# Altium PCB PCB.PcbDoc (part 1 of 2)
Units mil, origin at the board's own origin, x right, y up, seen from the top; angles counter-clockwise.
Board outline 1968.5 x 2500 mil, 2 copper layers (Top Layer, Bottom Layer), stack 59.418 mil thick; 109 components, 50 nets, 304 pads, 56 vias.
Unrouted connection lines stored in the file: 3.
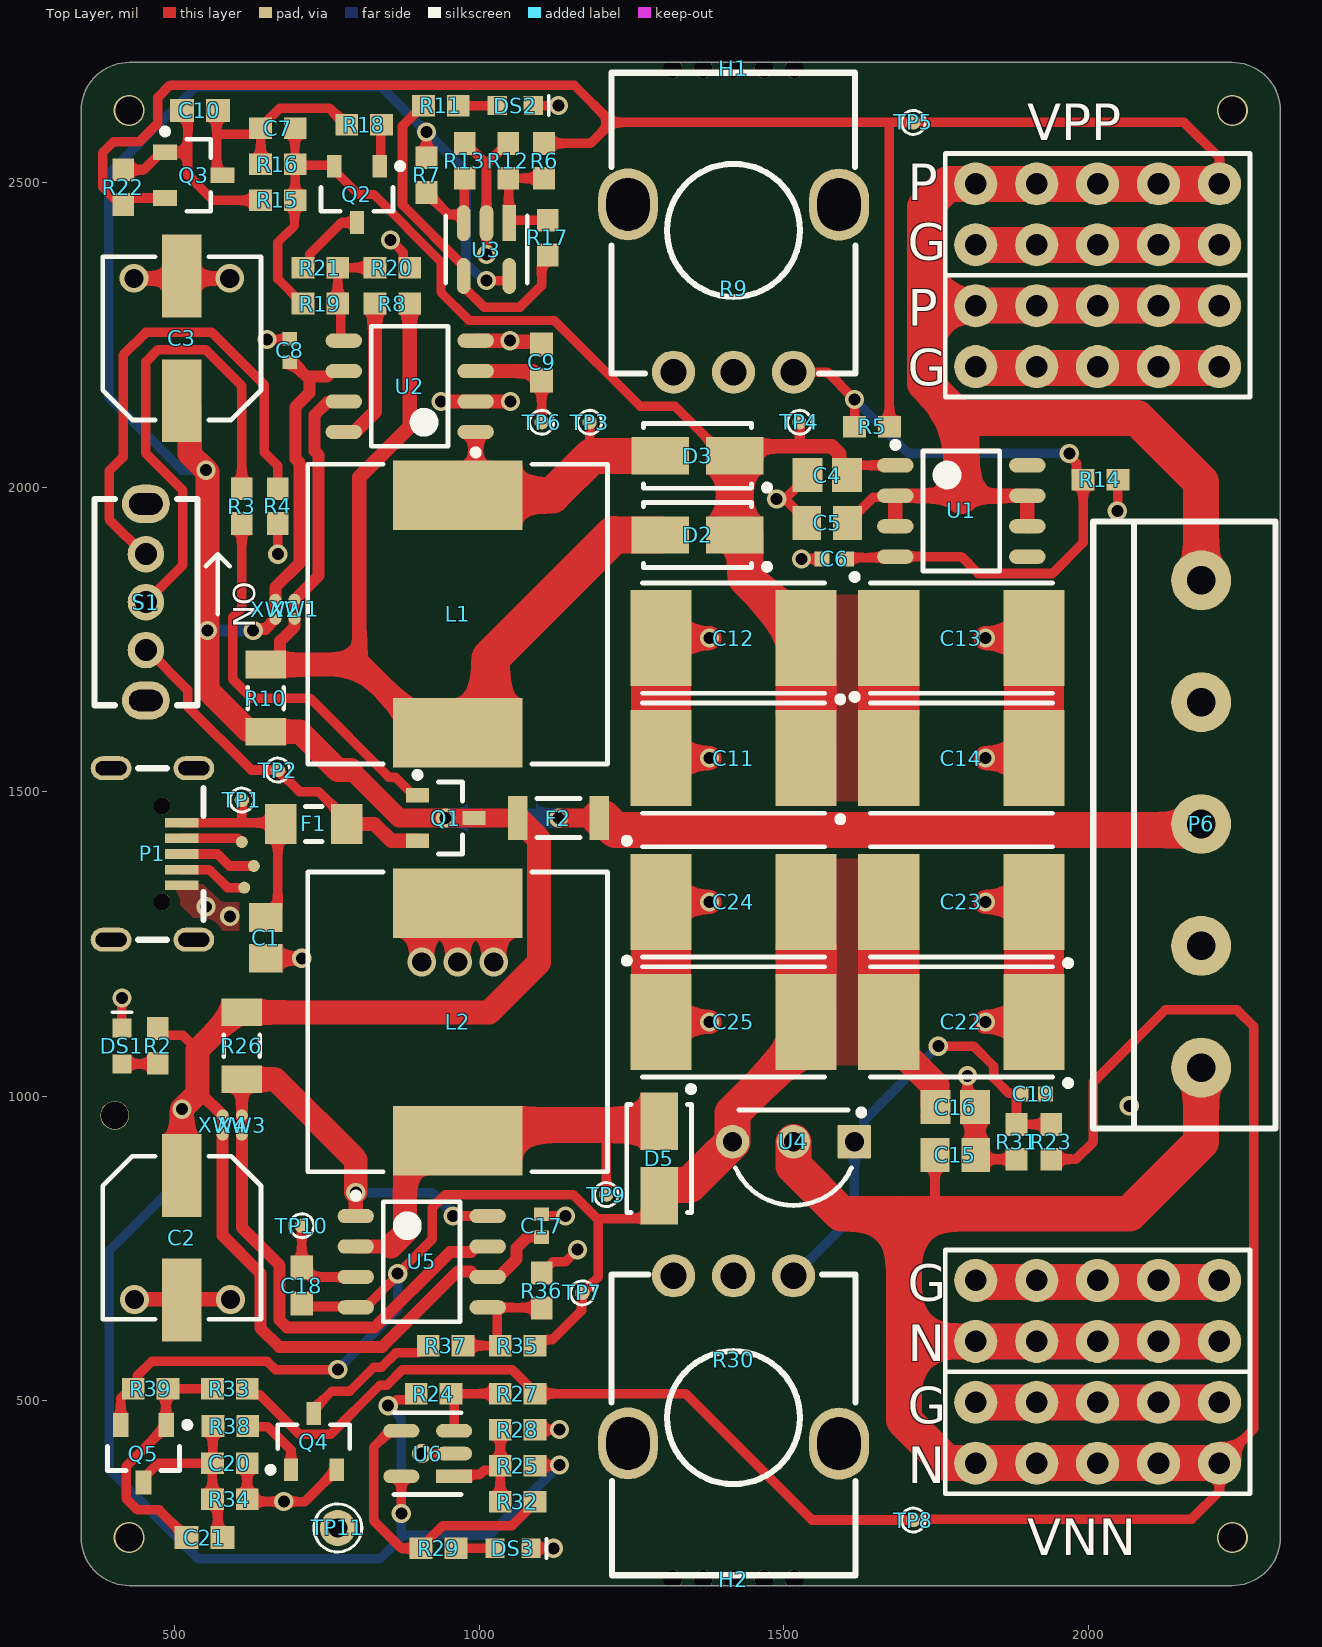
[diagram p0: Top Layer view]
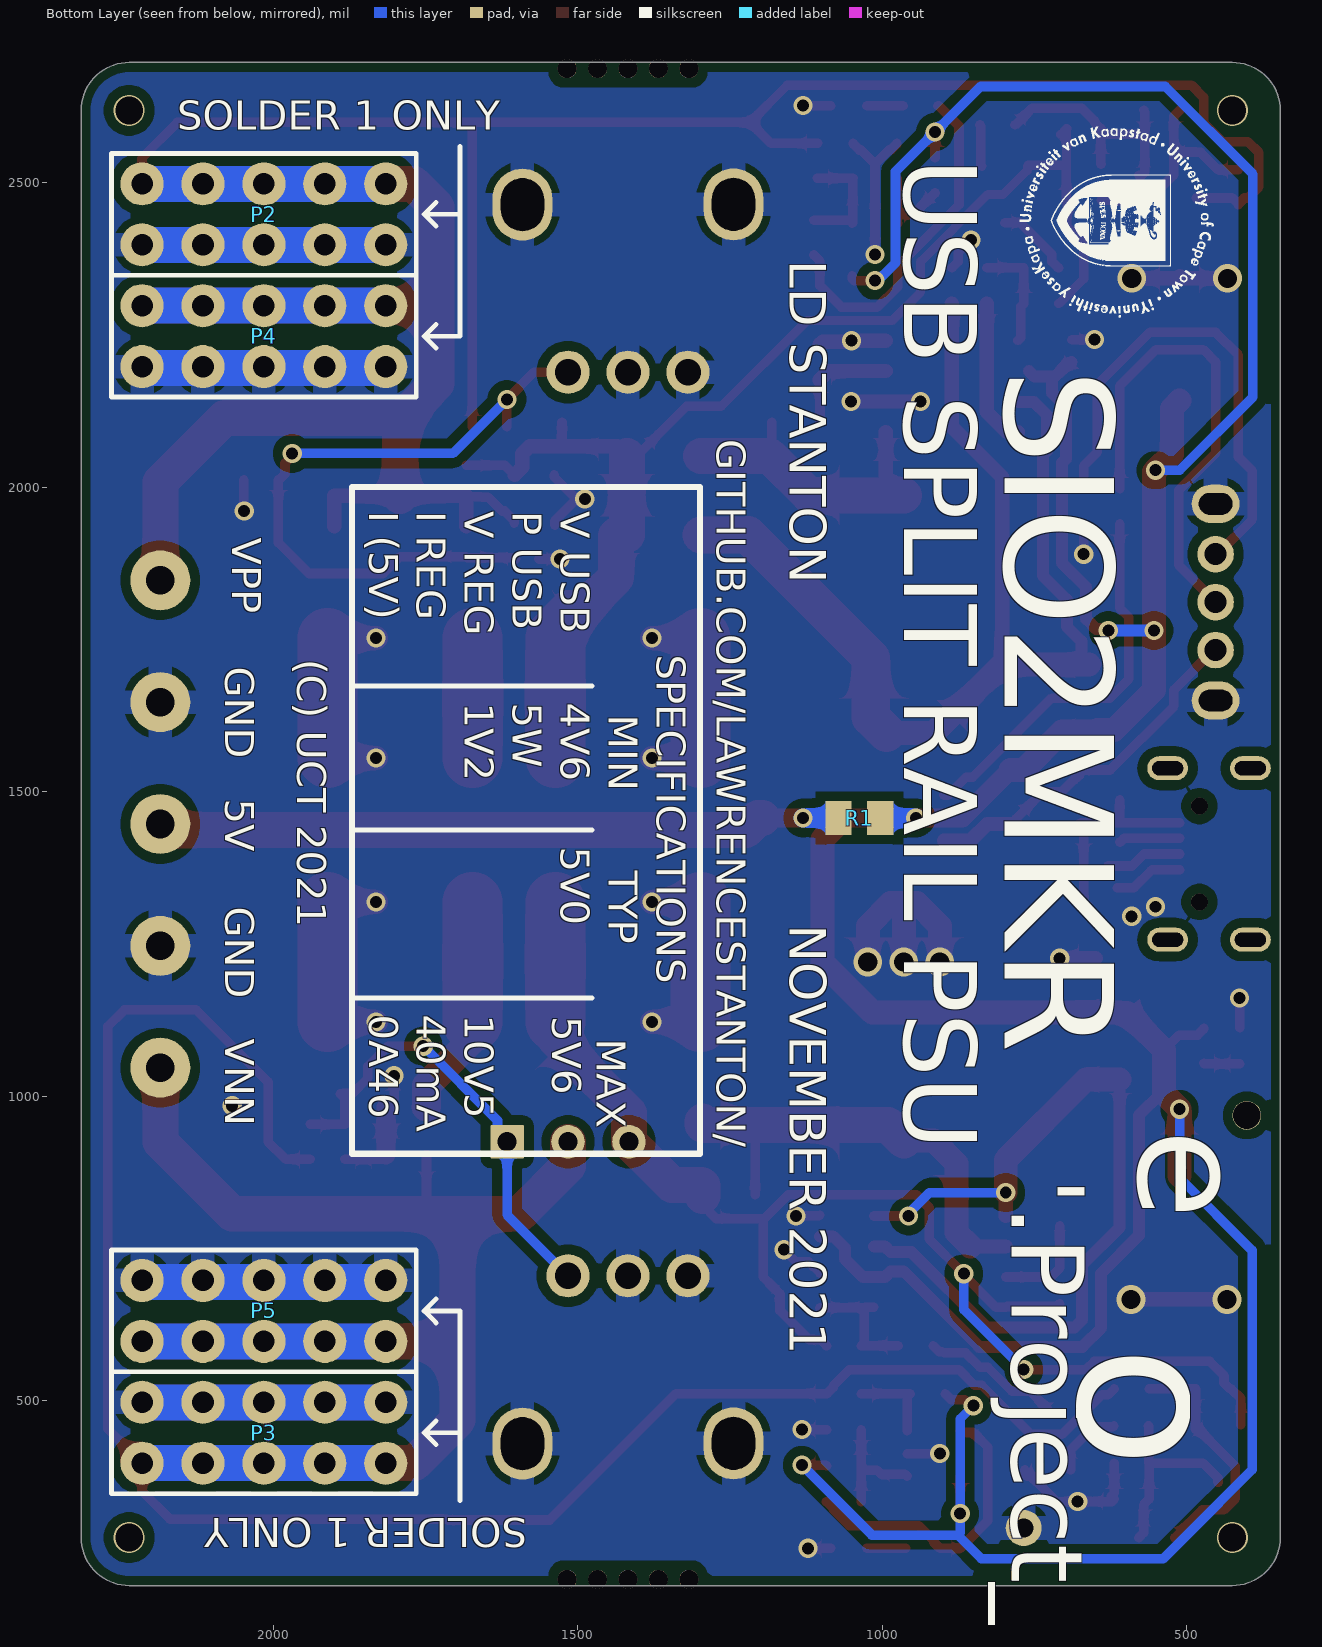
[diagram p1: Bottom Layer view, seen from below]
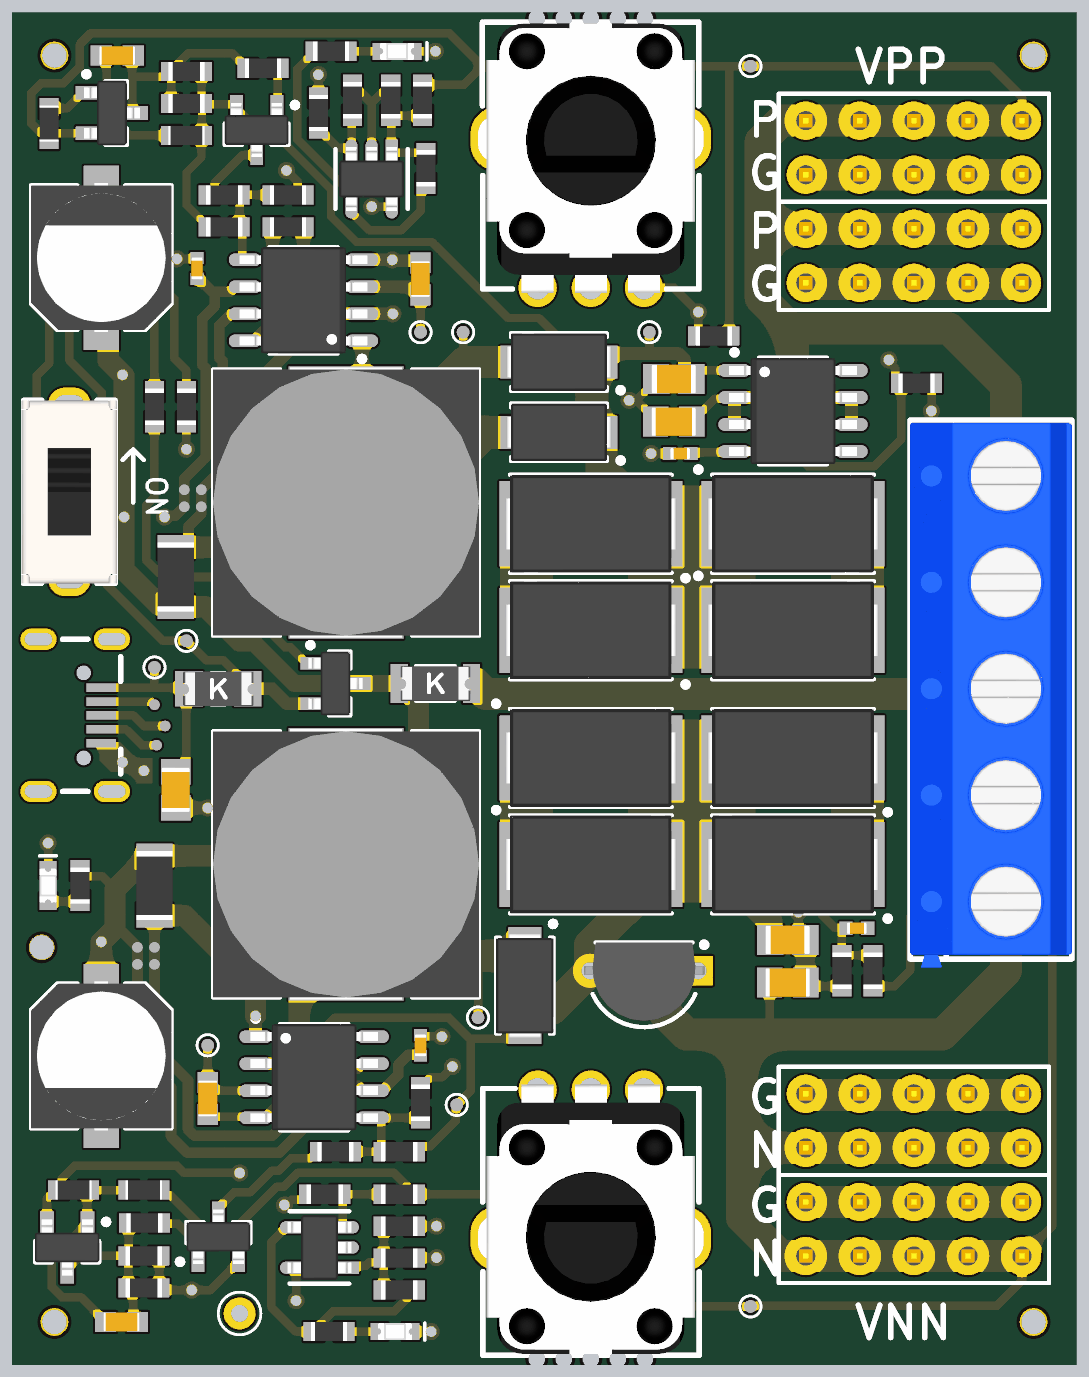
[diagram p3: 3D render of the assembled board from above, using the file's embedded part models]
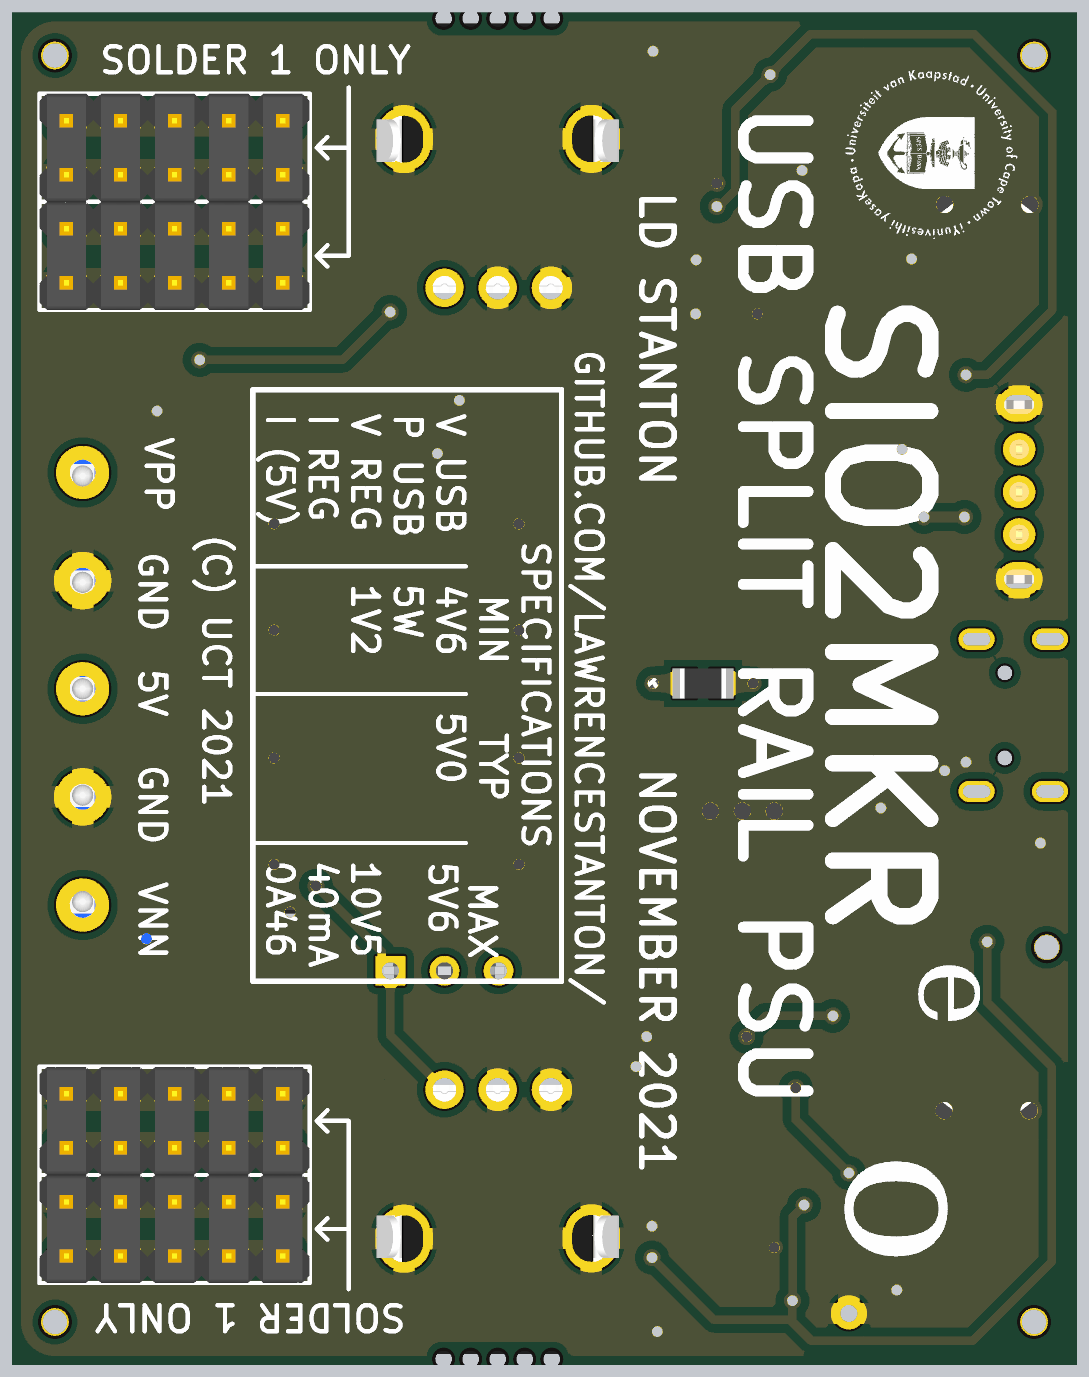
[diagram p4: 3D render of the assembled board from below, using the file's embedded part models]

## Layer stack, top to bottom
Top Solder: solder mask 1, SM-001, Dk 4
Top Layer: signal copper 1.378
Dielectric 1: core 56.6622, FR-4, Dk 4.5
Bottom Layer: signal copper 1.378
Bottom Solder: solder mask 1, SM-001, Dk 4

## Board outline
346.46,275.59 346.46,2618.11 cw(c425.2,2618.11) 425.2,2696.85 2236.22,2696.85 cw(c2236.22,2618.11) 2314.96,2618.11 2314.96,275.59 cw(c2236.22,275.59) 2236.22,196.85 425.2,196.85 cw(c425.2,275.59)

## Design rules (kind name [scope] priority, off if disabled: settings)
BoardOutlineClearance [All] p1: gap=15.75 ignorepadtopadclearanceinfootprint=FALSE except(7.87: Text-OutlineEdge Text-CavityEdge Text-CutoutEdge Text-SplitBarrior Text-SplitContinuation)
Clearance "PTH to Track" [(PadIsPlated = 'True') and (HoleSize > 0) vs IsTrack = 'True'] p1: gap=12.99 ignorepadtopadclearanceinfootprint=TRUE
Clearance "NPTH to Track" [(PadIsPlated = 'False') and (HoleSize > 0) vs IsTrack = 'True'] p2: gap=10 ignorepadtopadclearanceinfootprint=TRUE
Clearance "Clearance Different Nets" [All] p3: gap=15.75 ignorepadtopadclearanceinfootprint=TRUE except(5: Arc-Arc Arc-Track Track-Track SMDPad-SMDPad; 5.91: Arc-Text Track-Text SMDPad-THPad SMDPad-Via SMDPad-Text SMDPad-Hole THPad-Via THPad-Text THPad-Hole Via-Text Via-Hole Fill-Text Poly-Text Region-Text Text-Text Text-Hole; 7.87: Arc-SMDPad Track-SMDPad; 10: Arc-Via Arc-Hole Track-Via Track-Hole Via-Via; 12.99: Arc-THPad Track-THPad; 19.68: THPad-THPad)
Clearance "Clearance Same Nets" [All] p4: gap=5.91 ignorepadtopadclearanceinfootprint=TRUE except(7.87: Arc-SMDPad Track-SMDPad; 10: Arc-Via Arc-Hole Track-Via Track-Hole Via-Via; 12.99: Arc-THPad Track-THPad)
ComponentClearance "Clearnance SOIC-(0402, 0603, 0805, 1206)" [IsSOIC vs HasFootprint('0402_050') OR HasFootprint('0402_050_5_N') OR  HasFootprint('0603_080_8_N') OR HasFootprint('0603_080_8_N') OR HasFootprint('0605_065_A_N') OR HasFootprint('0805') OR  HasFootprint('0805_125_F_N') OR HasFootprint('1206') OR  HasFootprint('1206_060')] p1: gap=15.75 collisioncheckmode=3 verticalgap=10 showdistances=FALSE
ComponentClearance "Clearnance SOT-(0402, 0603, 0805, 1206)" [HasFootprint('SOT-23-3 (2N7002)') OR HasFootprint('SOT-23-3 Generic') vs HasFootprint('0402_050') OR HasFootprint('0402_050_5_N') OR  HasFootprint('0603_080_8_N') OR HasFootprint('0603_080_8_N') OR HasFootprint('0605_065_A_N') OR HasFootprint('0805') OR  HasFootprint('0805_125_F_N') OR HasFootprint('1206') OR  HasFootprint('1206_060')] p2: gap=7.87 collisioncheckmode=3 verticalgap=10 showdistances=FALSE
ComponentClearance "Clearnance SOT-(SOIC, SOT)" [HasFootprint('SOT-23-3 (2N7002)') OR HasFootprint('SOT-23-3 Generic') vs IsSOIC OR HasFootprint('SOT-23-3 (2N7002)') OR HasFootprint('SOT-23-3 Generic')] p3: gap=7.87 collisioncheckmode=3 verticalgap=10 showdistances=FALSE
ComponentClearance "Clearnance SOIC-SOIC" [IsSOIC vs IsSOIC] p4: gap=19.68 collisioncheckmode=3 verticalgap=10 showdistances=FALSE
ComponentClearance "Clearance 0603-(0402, 0603)" [HasFootprint('0603_080_8_N') OR HasFootprint('0603_080_8_N') OR HasFootprint('0605_065_A_N') vs HasFootprint('0402_050') OR HasFootprint('0402_050_5_N') OR HasFootprint('0603_080_8_N') OR HasFootprint('0603_080_8_N') OR HasFootprint('0605_065_A_N')] p5: gap=7.09 collisioncheckmode=3 verticalgap=10 showdistances=FALSE
ComponentClearance "Clearance 0805-(0603, 0805)" [HasFootprint('0805') OR  HasFootprint('0805_125_F_N') vs HasFootprint('0603_080_8_N') OR HasFootprint('0603_080_8_N') OR HasFootprint('0605_065_A_N') OR HasFootprint('0805') OR  HasFootprint('0805_125_F_N')] p6: gap=7.09 collisioncheckmode=3 verticalgap=10 showdistances=FALSE
ComponentClearance "Clearance 1206-(0402, 0603, 0805)" [HasFootprint('1206') OR  HasFootprint('1206_060') vs HasFootprint('0402_050') OR HasFootprint('0402_050_5_N') OR  HasFootprint('0603_080_8_N') OR HasFootprint('0603_080_8_N') OR HasFootprint('0605_065_A_N') OR HasFootprint('0805') OR  HasFootprint('0805_125_F_N')] p7: gap=9.84 collisioncheckmode=3 verticalgap=10 showdistances=FALSE
ComponentClearance "Clearance 1206-1206" [HasFootprint('1206') OR  HasFootprint('1206_060') vs HasFootprint('1206') OR  HasFootprint('1206_060')] p8: gap=13.78 collisioncheckmode=3 verticalgap=10 showdistances=FALSE
ComponentClearance "Clearance 0805-0402" [HasFootprint('0805') OR HasFootprint('0805_125_F_N') vs HasFootprint('0402_050') OR HasFootprint('0402_050_5_N')] p9: gap=7.87 collisioncheckmode=3 verticalgap=10 showdistances=FALSE
ComponentClearance "Clearance 0402-0402" [(HasFootprint('0402_050') or HasFootprint('0402_050_5_N')) vs (HasFootprint('0402_050') OR HasFootprint('0402_050_5_N'))] p10: gap=5.91 collisioncheckmode=3 verticalgap=5.91 showdistances=FALSE
ComponentClearance [All] p11: gap=10 collisioncheckmode=3 verticalgap=10 showdistances=FALSE
DiffPairsRouting [All] p1: maxlimit=19.68 minlimit=7.87 mostfreqgap=11.81 toplayer_minwidth=11.81 toplayer_maxwidth=19.68 toplayer_prefwidth=19.68 bottomlayer_minwidth=11.81 bottomlayer_maxwidth=19.68 bottomlayer_prefwidth=19.68 maxuncoupledlength=500
HoleSize "Plated Slot" [(PadIsPlated = 'True') and (HoleType = 'Slot')] p1: absolutevalues=TRUE maxlimit=255.91 minlimit=25.59 maxpercent=80.000 minpercent=20.000
HoleSize "Nonplated Slot" [(PadIsPlated = 'False') and (HoleType = 'Slot')] p2: absolutevalues=TRUE maxlimit=255.91 minlimit=39.37 maxpercent=80.000 minpercent=20.000
HoleSize "NPTH Hole Size" [PadIsPlated = 'False'] p3: absolutevalues=TRUE maxlimit=255.91 minlimit=19.68 maxpercent=80.000 minpercent=20.000
HoleSize "PTH Hole Size" [PadIsPlated = 'True'] p4: absolutevalues=TRUE maxlimit=250 minlimit=7.87 maxpercent=80.000 minpercent=20.000
HoleSize "THT Hole Size" [IsPad] p5: absolutevalues=TRUE maxlimit=250 minlimit=27.56 maxpercent=80.000 minpercent=20.000
HoleSize [All] p6: absolutevalues=TRUE maxlimit=248.03 minlimit=11.81 maxpercent=80.000 minpercent=20.000
HoleToHoleClearance [All] p1: gap=19.68 allowstackedmicrovias=FALSE
MinimumAnnularRing "PTH Minimum Annular Ring" [PadIsPlated = 'True'] p1: minimumring=11.81
MinimumAnnularRing [All] p2: minimumring=5.12
MinimumSolderMaskSliver [All] p1: minsoldermaskwidth=7.87
PolygonConnect "No TR" [Name = 'NoTR'] p1: connectstyle=Direct reliefconductorwidth=10 reliefentries=4 polygonreliefangle="90 Angle" airgapwidth=10
PolygonConnect [All] p2: thpad.connectstyle=Relief thpad.reliefconductorwidth=39.37 thpad.reliefentries=4 thpad.polygonreliefangle="90 Angle" thpad.airgapwidth=11.81 smdpad.connectstyle=Relief smdpad.reliefconductorwidth=10 smdpad.reliefentries=4 smdpad.polygonreliefangle="90 Angle" smdpad.airgapwidth=10 via.connectstyle=Direct via.reliefconductorwidth=10 via.reliefentries=4 via.polygonreliefangle="90 Angle" via.airgapwidth=10
RoutingVias [All] p1: holewidth=19.68 width=31.5 viastyle="Through Hole" minholewidth=11.81 minwidth=23.62 maxholewidth=39.37 maxwidth=47.24
SilkToSolderMaskClearance [IsPad] p1 off: minsilkscreentomaskgap=10 clearancetoexposedcopper=TRUE
SolderMaskExpansion [All] p1: expansion=3.94 istentingtop=FALSE
Width [All] p1: maxlimit=98.43 minlimit=5 preferedwidth=15.75 minimp=50.000000 maximp=50.000000 favimp=50.000000
24 further rules are at their usual default settings.

## Classes and differential pairs
differential pair P5V0_S0_INVVCC: +P5V0_S0_INVVCC_P -P5V0_S0_INVVCC_N
differential pair P5V0_S0_BOOSTVCC: +P5V0_S0_BOOSTVCC_P -P5V0_S0_BOOSTVCC_N

## Components (designator, comment, footprint, x,y, rotation, side; value= is the part's Value field where it differs from the comment)
C1 "CL21B103KBANNNC" 0605_065_A_N 649.61,1259.84 r270 top value=10nF
C2 "RVT1A221M0605" "CAPAE 6354" 511.81,767.72 r90 top value=220uF
C3 "RVT1A221M0605" "CAPAE 6354" 511.81,2244.09 r270 top value=220uF
C4 "CC0805KRX7R9BB104" 0805#1 1570.87,2019.69 r180 top value=100nF
C5 "CL21B105KBFNNNE" 0805_125_F_N 1570.87,1940.94 r180 top value=1uF
C6 "0402CG3R3C500NT" 0402_050 1582.68,1881.89 r180 top value=3.3pF
C7 "CC0603KRX7R9BB104" 0603 669.29,2588.58 r180 top value=100nF
C8 "CL05B104KO5NNNC" 0402_050_5_N 688.98,2224.41 r90 top value=100nF
C9 "CL10B102KB8NNNC" 0603_080_8_N 1102.36,2204.72 r90 top value=1nF
C10 "MLCC 10pF 0603 50V C0G" 0603_080_8_N 541.34,2618.11 r0 top value=10pF
C11 "293D107X9016D2TE3" "CASE D" 1417.32,1555.12 r0 top value=100uF
C12 "293D107X9016D2TE3" "CASE D" 1417.32,1751.97 r0 top value=100uF
C13 "293D107X9016D2TE3" "CASE D" 1791.34,1751.97 r180 top value=100uF
C14 "293D107X9016D2TE3" "CASE D" 1791.34,1555.12 r180 top value=100uF
C15 "CL21B105KBFNNNE" 0805_125_F_N 1781.5,903.54 r0 top value=1uF
C16 "CC0805KRX7R9BB104" 0805#1 1781.5,982.28 r0 top value=100nF
C17 "CL05B104KO5NNNC" 0402_050_5_N 1102.36,787.4 r90 top value=100nF
C18 "CL10B102KB8NNNC" 0603_080_8_N 708.66,688.98 r270 top value=1nF
C19 "0402CG3R3C500NT" 0402_050 1909.45,1003.94 r0 top value=3.3pF
C20 "CC0603KRX7R9BB104" 0603 590.55,397.64 r180 top value=100nF
C21 "MLCC 10pF 0603 50V C0G" 0603_080_8_N 549.21,275.59 r0 top value=10pF
C22 "293D107X9016D2TE3" "CASE D" 1791.34,1122.05 r0 top value=100uF
C23 "293D107X9016D2TE3" "CASE D" 1791.34,1318.9 r0 top value=100uF
C24 "293D107X9016D2TE3" "CASE D" 1417.32,1318.9 r180 top value=100uF
C25 "293D107X9016D2TE3" "CASE D" 1417.32,1122.05 r180 top value=100uF
D2 "SS34" DO-214AC 1358.27,1921.26 r0 top
D3 "SS34" DO-214AC 1358.27,2051.18 r0 top
D5 "SS34" DO-214AC 1295.28,897.64 r90 top
DS1 "19-217/GHC-YR1S2/3T" "LED 0603" 413.39,1082.68 r270 top
DS2 "19-217/GHC-YR1S2/3T" "LED 0603" 1059.06,2625.98 r180 top
DS3 "19-217/GHC-YR1S2/3T" "LED 0603" 1055.12,257.87 r180 top
F1 "0468001.NRHF" "Fuse 1206 (Littlefuse 468) B" 728.35,1446.85 r0 top
F2 "nSMD020-30V" FUSE3216X09N 1129.92,1456.69 r0 top
H1 "Mouse Bites 5 IPC-7351" "Mouse Bites 5 IPC-7351" 1417.32,2696.85 r180 top
H2 "Mouse Bites 5 IPC-7351" "Mouse Bites 5 IPC-7351" 1417.32,196.85 r0 top
L1 "SWRB1207S-331MT" SWRB1207S 964.57,1791.34 r90 top value=330uH
L2 "SWRB1207S-331MT" SWRB1207S 964.57,1122.05 r270 top value=330uH
P1 "MICRO 4P DIP" "MICRO 4P DIP" 511.81,1397.64 r180 top
P2 "A2541WV-2x5P" "Pin Header 10 2 Vertical Male" 2014.96,2447.64 r270 bottom locked
P3 "A2541WV-2x5P" "Pin Header 10 2 Vertical Male" 2014.96,447.64 r90 bottom locked
P4 "A2541WV-2x5P" "Pin Header 10 2 Vertical Male" 2014.96,2247.64 r270 bottom locked
P5 "A2541WV-2x5P" "Pin Header 10 2 Vertical Male" 2014.96,647.64 r90 bottom locked
P6 "CZM5,08-4E" "SCREW DOWN 5" 2185.04,1446.85 r270 top
Q1 "AO3401A" "SOT-23-3 (2N7002)" 944.88,1456.69 r180 top
Q2 "LBSS84LT1G" "SOT-23-3 (2N7002)" 799.21,2480.32 r90 top
Q3 "SS8050" "SOT-23-3 Generic" 531.5,2511.81 r180 top
Q4 "LBSS84LT1G" "SOT-23-3 (2N7002)" 728.35,433.07 r270 top
Q5 "SS8050" "SOT-23-3 Generic" 448.82,413.39 r90 top
R1 "0805W8F0000T5E" 0805#2 1037.4,1456.69 r0 bottom value=0R0
R2 "0603WAF3300T5E" 0603 472.44,1082.68 r270 top value=330R
R3 "0603WAF1002T5E" 0603 610.24,1968.5 r270 top value=10K
R4 "0603WAF1200T5E" 0603 669.29,1968.5 r90 top value=120R
R5 "0603WAF2400T5E" 0603 1644.68,2099.21 r180 top value=240R
R6 "0603WAF6802T5E" 0603 1106.3,2535.43 r270 top value=68K
R7 "0603WAF3302T5E" 0603 913.39,2511.81 r270 top value=33K